# KiCad board 4servoboard-4x4.kicad_pcb (continued)
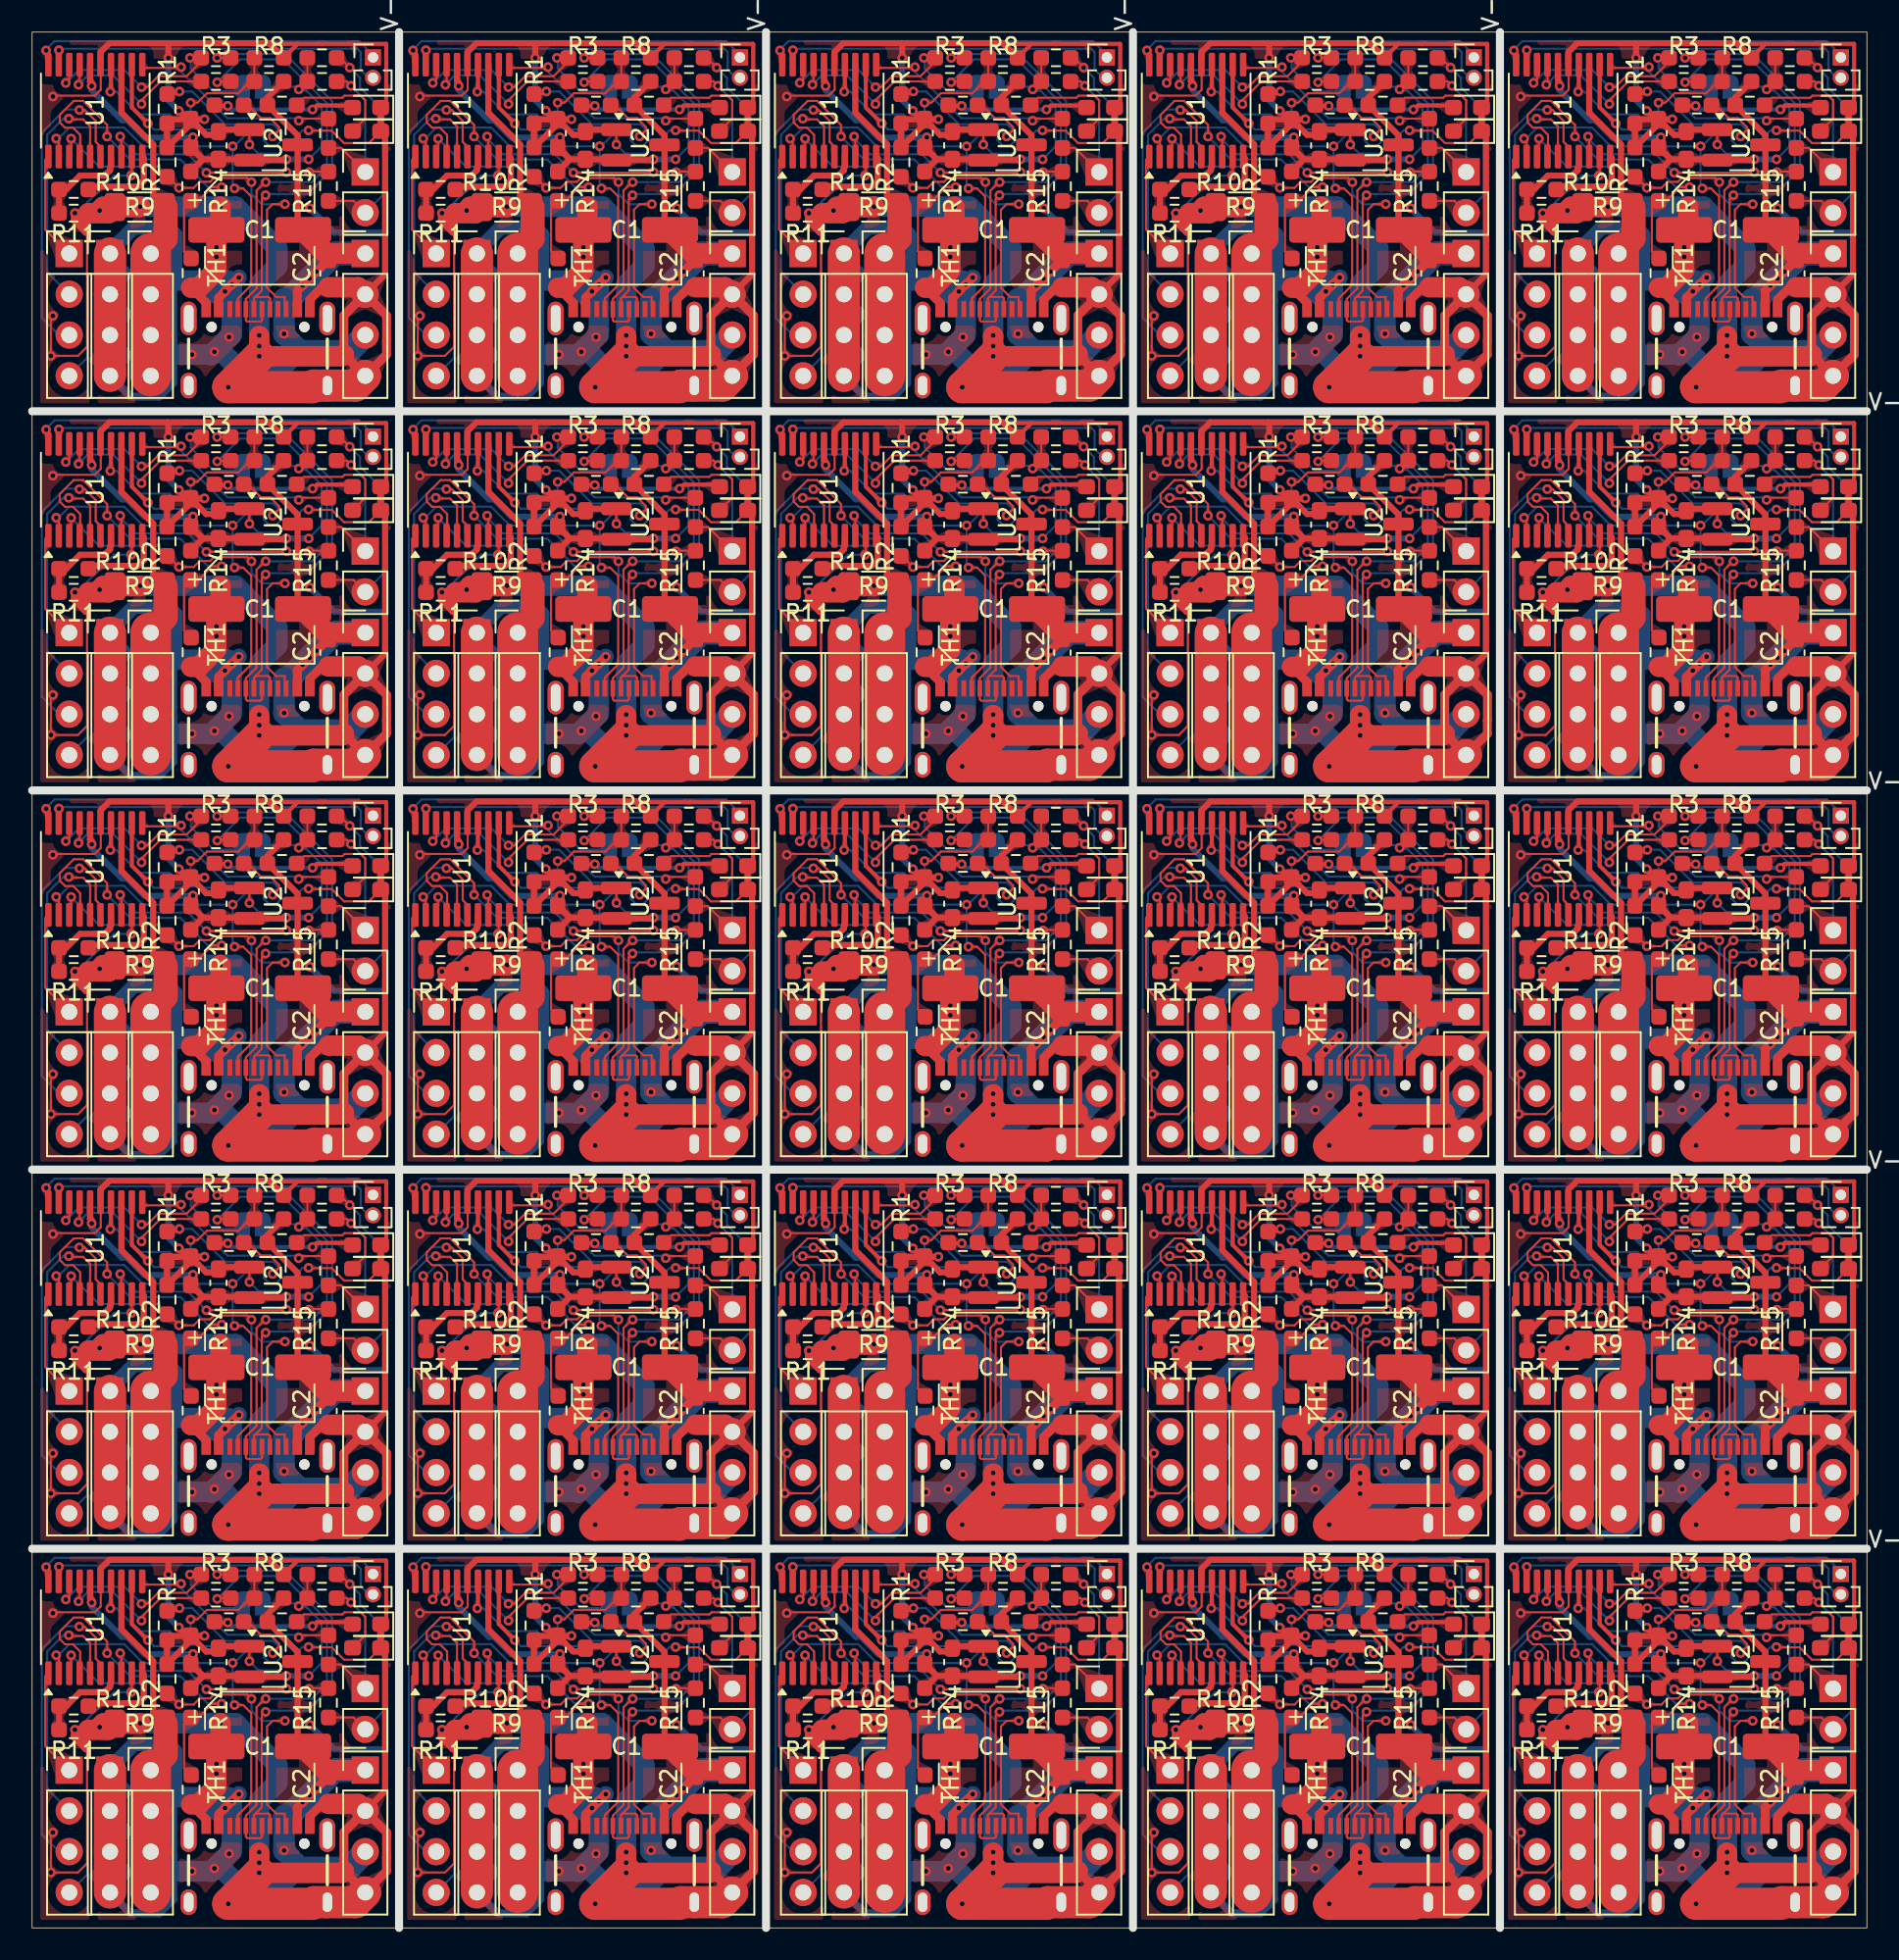
[diagram p0: board, top side]
## Routing (per net, layer and track width the routed paths; a pad name or vN(x,y) marks a point on that pad's centre or on a via; arc(x,y) is an arc through that point) (continued)
  Bottom w0.127: J7#9.1 89.81,69.44 88.96,70.3 69.98,70.3 69.45,69.77 v1(69.45,69.72) ; J7#24.1 66.95,22.2 66.1,23.06 47.12,23.06 46.59,22.53 v1(46.59,22.48) ; J7#2.1 21.23,93.07 20.38,93.92 1.4,93.92 0.87,93.4 v1(0.87,93.34) ; J7#25.1 66.95,93.07 66.1,93.92 47.12,93.92 46.59,93.4 v1(46.59,93.34) ; J7#16.1 89.81,22.2 88.96,23.06 69.98,23.06 69.45,22.53 v1(69.45,22.48) ; v1(0.87,69.72) 0.87,69.77 1.4,70.3 20.38,70.3 21.23,69.44 J7#21.1 ; J7#6.1 89.81,45.82 88.96,46.68 69.98,46.68 69.45,46.15 v1(69.45,46.1) ; v1(23.73,22.48) 23.73,22.53 24.26,23.06 43.24,23.06 44.09,22.2 J7#22.1 ; v1(69.45,116.97) 69.45,117.02 69.98,117.55 88.96,117.55 89.81,116.69 J7#18.1 ; v1(23.73,69.72) 23.73,69.77 24.26,70.3 43.24,70.3 44.09,69.44 J7#23.1 ; v1(0.87,116.97) 0.87,117.02 1.4,117.55 20.38,117.55 21.23,116.69 J7#20.1 ; v1(92.31,93.34) 92.31,93.4 92.84,93.92 111.82,93.92 112.67,93.07 J7#17.1 ; J7#5.1 21.23,45.82 20.38,46.68 1.4,46.68 0.87,46.15 v1(0.87,46.1) ; v1(23.73,116.97) 23.73,117.02 24.26,117.55 43.24,117.55 44.09,116.69 J7#4.1 ; v1(92.31,46.1) 92.31,46.15 92.84,46.68 111.82,46.68 112.67,45.82 J7#7.1 ; J7#14.1 44.09,45.82 43.24,46.68 24.26,46.68 23.73,46.15 v1(23.73,46.1) ; J7#19.1 66.95,45.82 66.1,46.68 47.12,46.68 46.59,46.15 v1(46.59,46.1) ; v1(46.59,116.97) 46.59,117.02 47.12,117.55 66.1,117.55 66.95,116.69 J7#13.1 ; v1(92.31,116.97) 92.31,117.02 92.84,117.55 111.82,117.55 112.67,116.69 J7.1 ; v1(92.31,69.72) 92.31,69.77 92.84,70.3 111.82,70.3 112.67,69.44 J7#3.1 ; v1(92.31,22.48) 92.31,22.53 92.84,23.06 111.82,23.06 112.67,22.2 J7#10.1 ; v1(46.59,69.72) 46.59,69.77 47.12,70.3 66.1,70.3 66.95,69.44 J7#12.1 ; J7#11.1 89.81,93.07 88.96,93.92 69.98,93.92 69.45,93.4 v1(69.45,93.34) ; v1(23.73,93.34) 23.73,93.4 24.26,93.92 43.24,93.92 44.09,93.07 J7#8.1 ; v1(0.87,22.48) 0.87,22.53 1.4,23.06 20.38,23.06 21.23,22.2 J7#15.1
SWDIO: length 547.4
  Top w0.127: U1#21.19 47.38,116.97 v1(47.39,116.98) ; U1#11.19 93.1,69.73 v1(93.11,69.74) ; U1#22.19 47.38,46.11 v1(47.39,46.12) ; U1#3.19 70.24,69.73 v1(70.25,69.74) ; v1(47.39,22.49) 47.38,22.48 U1#9.19 ; v1(47.39,93.36) 47.38,93.35 U1#10.19 ; v1(1.67,22.49) 1.66,22.48 U1#15.19 ; v1(24.53,46.12) 24.52,46.11 U1#23.19 ; U1#25.19 47.38,69.73 v1(47.39,69.74) ; U1#17.19 70.24,46.11 v1(70.25,46.12) ; U1#14.19 24.52,69.73 v1(24.53,69.74) ; v1(70.25,93.36) 70.24,93.35 U1#18.19 ; U1#24.19 24.52,116.97 v1(24.53,116.98) ; v1(70.25,22.49) 70.24,22.48 U1#2.19 ; U1#5.19 93.1,93.35 v1(93.11,93.36) ; U1#13.19 93.1,116.97 v1(93.11,116.98) ; v1(1.67,116.98) 1.66,116.97 U1#20.19 ; v1(70.25,116.98) 70.24,116.97 U1#16.19 ; v1(1.67,46.12) 1.66,46.11 U1#8.19 ; U1#12.19 93.1,46.11 v1(93.11,46.12) ; U1.19 24.52,93.35 v1(24.53,93.36) ; v1(24.53,22.49) 24.52,22.48 U1#19.19 ; v1(1.67,69.74) 1.66,69.73 U1#6.19 ; v1(93.11,22.49) 93.1,22.48 U1#4.19 ; v1(1.67,93.36) 1.66,93.35 U1#7.19
  Bottom w0.127: v1(1.67,69.74) 1.76,69.83 20.27,69.83 20.47,69.62 20.47,68.53 20.98,68.02 J7#21.2 ; J7#23.2 43.84,68.02 43.33,68.53 43.33,69.62 43.13,69.83 24.62,69.83 v1(24.53,69.74) ; v1(70.25,69.74) 70.34,69.83 88.85,69.83 89.05,69.62 89.05,68.53 89.56,68.02 J7#9.2 ; J7#25.2 66.7,91.64 66.19,92.15 66.19,93.25 65.99,93.45 47.48,93.45 v1(47.39,93.36) ; J7#13.2 66.7,115.27 66.19,115.77 66.19,116.87 65.99,117.07 47.48,117.07 v1(47.39,116.98) ; J7#11.2 89.56,91.64 89.05,92.15 89.05,93.25 88.85,93.45 70.34,93.45 v1(70.25,93.36) ; J7#5.2 20.98,44.4 20.47,44.9 20.47,46 20.27,46.2 1.76,46.2 v1(1.67,46.12) ; J7#7.2 112.42,44.4 111.91,44.9 111.91,46 111.71,46.2 93.2,46.2 v1(93.11,46.12) ; J7.2 112.42,115.27 111.91,115.77 111.91,116.87 111.71,117.07 93.2,117.07 v1(93.11,116.98) ; J7#6.2 89.56,44.4 89.05,44.9 89.05,46 88.85,46.2 70.34,46.2 v1(70.25,46.12) ; J7#15.2 20.98,20.78 20.47,21.28 20.47,22.38 20.27,22.58 1.76,22.58 v1(1.67,22.49) ; J7#2.2 20.98,91.64 20.47,92.15 20.47,93.25 20.27,93.45 1.76,93.45 v1(1.67,93.36) ; v1(24.53,46.12) 24.62,46.2 43.13,46.2 43.33,46 43.33,44.9 43.84,44.4 J7#14.2 ; v1(70.25,22.49) 70.34,22.58 88.85,22.58 89.05,22.38 89.05,21.28 89.56,20.78 J7#16.2 ; J7#10.2 112.42,20.78 111.91,21.28 111.91,22.38 111.71,22.58 93.2,22.58 v1(93.11,22.49) ; J7#20.2 20.98,115.27 20.47,115.77 20.47,116.87 20.27,117.07 1.76,117.07 v1(1.67,116.98) ; J7#19.2 66.7,44.4 66.19,44.9 66.19,46 65.99,46.2 47.48,46.2 v1(47.39,46.12) ; J7#22.2 43.84,20.78 43.33,21.28 43.33,22.38 43.13,22.58 24.62,22.58 v1(24.53,22.49) ; J7#4.2 43.84,115.27 43.33,115.77 43.33,116.87 43.13,117.07 24.62,117.07 v1(24.53,116.98) ; v1(47.39,22.49) 47.48,22.58 65.99,22.58 66.19,22.38 66.19,21.28 66.7,20.78 J7#24.2 ; J7#12.2 66.7,68.02 66.19,68.53 66.19,69.62 65.99,69.83 47.48,69.83 v1(47.39,69.74) ; v1(24.53,93.36) 24.62,93.45 43.13,93.45 43.33,93.25 43.33,92.15 43.84,91.64 J7#8.2 ; v1(93.11,93.36) 93.2,93.45 111.71,93.45 111.91,93.25 111.91,92.15 112.42,91.64 J7#17.2 ; J7#3.2 112.42,68.02 111.91,68.53 111.91,69.62 111.71,69.83 93.2,69.83 v1(93.11,69.74) ; v1(70.25,116.98) 70.34,117.07 88.85,117.07 89.05,116.87 89.05,115.77 89.56,115.27 J7#18.2
TX2: length 383.7
  Top w0.127: v1(17.25,85.76) 17.29,85.8 R15#17.2 ; v1(51.21,64.36) 51.21,64.18 51.28,64.11 U1#25.8 ; R15#8.2 17.29,38.56 v1(17.25,38.52) ; v1(5.49,64.36) 5.49,64.18 5.56,64.11 U1#6.8 ; v1(10.86,14.86) 15.81,14.86 v1(15.85,14.9) ; v1(51.21,111.6) 51.21,111.43 51.28,111.35 U1#21.8 ; v1(5.49,111.6) 5.49,111.43 5.56,111.35 U1#20.8 ; v1(74.07,87.98) 74.07,87.81 74.14,87.73 U1#18.8 ; R15#19.2 17.29,62.18 v1(17.25,62.14) ; R15#12.2 40.15,109.42 v1(40.11,109.38) ; v1(28.35,64.36) 28.35,64.18 28.42,64.11 U1#14.8 ; v1(28.35,17.11) 28.35,16.94 28.42,16.87 U1#19.8 ; v1(85.83,109.38) 85.87,109.42 R15.2 ; v1(5.49,87.98) 5.49,87.81 5.56,87.73 U1#7.8 ; v1(108.69,109.38) 108.73,109.42 R15#13.2 ; R15#25.2 108.73,38.56 v1(108.69,38.52) ; v1(108.69,62.14) 108.73,62.18 R15#3.2 ; R15#18.2 63.01,85.8 v1(62.97,85.76) ; v1(61.57,14.9) 61.53,14.86 v1(56.58,14.86) ; v1(79.44,62.11) 84.39,62.11 v1(84.43,62.14) ; v1(56.58,109.35) 61.53,109.35 v1(61.57,109.38) ; v1(38.71,38.52) 38.67,38.48 v1(33.72,38.48) ; v1(84.43,85.76) 84.39,85.73 v1(79.44,85.73) ; v1(108.69,14.9) 108.73,14.94 R15#16.2 ; U1#11.8 97,64.11 96.93,64.18 v1(96.93,64.36) ; v1(84.43,109.38) 84.39,109.35 v1(79.44,109.35) ; v1(96.93,87.98) 96.93,87.81 97,87.73 U1#5.8 ; v1(56.58,85.73) 61.53,85.73 v1(61.57,85.76) ; v1(107.29,62.14) 107.25,62.11 v1(102.3,62.11) ; v1(62.97,38.52) 63.01,38.56 R15#5.2 ; v1(40.11,85.76) 40.15,85.8 R15#9.2 ; v1(85.83,14.9) 85.87,14.94 R15#21.2 ; R15#6.2 40.15,38.56 v1(40.11,38.52) ; v1(38.71,85.76) 38.67,85.73 v1(33.72,85.73) ; R15#24.2 108.73,85.8 v1(108.69,85.76) ; U1#22.8 51.28,40.49 51.21,40.56 v1(51.21,40.74) ; v1(28.35,111.6) 28.35,111.43 28.42,111.35 U1#24.8 ; v1(51.21,17.11) 51.21,16.94 51.28,16.87 U1#9.8 ; v1(107.29,14.9) 107.25,14.86 v1(102.3,14.86) ; v1(56.58,38.48) 61.53,38.48 v1(61.57,38.52) ; v1(96.93,40.74) 96.93,40.56 97,40.49 U1#12.8 ; v1(51.21,87.98) 51.21,87.81 51.28,87.73 U1#10.8 ; U1#16.8 74.14,111.35 74.07,111.43 v1(74.07,111.6) ; R15#11.2 63.01,14.94 v1(62.97,14.9) ; U1#13.8 97,111.35 96.93,111.43 v1(96.93,111.6) ; v1(38.71,109.38) 38.67,109.35 v1(33.72,109.35) ; U1#17.8 74.14,40.49 74.07,40.56 v1(74.07,40.74) ; v1(79.44,14.86) 84.39,14.86 v1(84.43,14.9) ; v1(28.35,87.98) 28.35,87.81 28.42,87.73 U1.8 ; U1#23.8 28.42,40.49 28.35,40.56 v1(28.35,40.74) ; v1(10.86,85.73) 15.81,85.73 v1(15.85,85.76) ; v1(85.83,38.52) 85.87,38.56 R15#2.2 ; U1#15.8 5.56,16.87 5.49,16.94 v1(5.49,17.11) ; v1(102.3,85.73) 107.25,85.73 v1(107.29,85.76) ; R15#22.2 17.29,14.94 v1(17.25,14.9) ; R15#20.2 63.01,109.42 v1(62.97,109.38) ; v1(15.85,38.52) 15.81,38.48 v1(10.86,38.48) ; R15#15.2 40.15,14.94 v1(40.11,14.9) ; v1(107.29,38.52) 107.25,38.48 v1(102.3,38.48) ; v1(33.72,14.86) 38.67,14.86 v1(38.71,14.9) ; v1(107.29,109.38) 107.25,109.35 v1(102.3,109.35) ; v1(5.49,40.74) 5.49,40.56 5.56,40.49 U1#8.8 ; v1(84.43,38.52) 84.39,38.48 v1(79.44,38.48) ; v1(96.93,17.11) 96.93,16.94 97,16.87 U1#4.8 ; v1(56.58,62.11) 61.53,62.11 v1(61.57,62.14) ; U1#2.8 74.14,16.87 74.07,16.94 v1(74.07,17.11) ; v1(17.25,109.38) 17.29,109.42 R15#23.2 ; R15#7.2 85.87,62.18 v1(85.83,62.14) ; v1(85.83,85.76) 85.87,85.8 R15#4.2 ; R15#10.2 63.01,62.18 v1(62.97,62.14) ; v1(33.72,62.11) 38.67,62.11 v1(38.71,62.14) ; v1(40.11,62.14) 40.15,62.18 R15#14.2 ; v1(10.86,109.35) 15.81,109.35 v1(15.85,109.38) ; v1(10.86,62.11) 15.81,62.11 v1(15.85,62.14) ; U1#3.8 74.14,64.11 74.07,64.18 v1(74.07,64.36)
  Bottom w0.127: v1(56.58,109.35) 55.43,110.5 52.19,110.5 51.21,111.48 v1(51.21,111.6) ; v1(108.69,14.9) 108.63,14.96 107.35,14.96 v1(107.29,14.9) ; v1(84.43,14.9) 84.49,14.96 85.77,14.96 v1(85.83,14.9) ; v1(15.85,85.76) 15.91,85.83 17.19,85.83 v1(17.25,85.76) ; v1(51.21,17.11) 51.21,16.99 52.19,16.01 55.43,16.01 v1(56.58,14.86) ; v1(40.11,109.38) 40.05,109.45 38.77,109.45 v1(38.71,109.38) ; v1(108.69,38.52) 108.63,38.58 107.35,38.58 v1(107.29,38.52) ; v1(84.43,109.38) 84.49,109.45 85.77,109.45 v1(85.83,109.38) ; v1(108.69,109.38) 108.63,109.45 107.35,109.45 v1(107.29,109.38) ; v1(51.21,40.74) 51.21,40.61 52.19,39.63 55.43,39.63 v1(56.58,38.48) ; v1(102.3,38.48) 101.15,39.63 97.91,39.63 96.93,40.61 v1(96.93,40.74) ; v1(17.25,38.52) 17.19,38.58 15.91,38.58 v1(15.85,38.52) ; v1(51.21,64.36) 51.21,64.24 52.19,63.25 55.43,63.25 v1(56.58,62.11) ; v1(96.93,64.36) 96.93,64.24 97.91,63.25 101.15,63.25 v1(102.3,62.11) ; v1(84.43,62.14) 84.49,62.2 85.77,62.2 v1(85.83,62.14) ; v1(102.3,85.73) 101.15,86.88 97.91,86.88 96.93,87.86 v1(96.93,87.98) ; v1(62.97,38.52) 62.91,38.58 61.63,38.58 v1(61.57,38.52) ; v1(62.97,85.76) 62.91,85.83 61.63,85.83 v1(61.57,85.76) ; v1(108.69,85.76) 108.63,85.83 107.35,85.83 v1(107.29,85.76) ; v1(5.49,64.36) 5.49,64.24 6.47,63.25 9.71,63.25 v1(10.86,62.11) ; v1(74.07,40.74) 74.07,40.61 75.05,39.63 78.29,39.63 v1(79.44,38.48) ; v1(74.07,111.6) 74.07,111.48 75.05,110.5 78.29,110.5 v1(79.44,109.35) ; v1(5.49,17.11) 5.49,16.99 6.47,16.01 9.71,16.01 v1(10.86,14.86) ; v1(51.21,87.98) 51.21,87.86 52.19,86.88 55.43,86.88 v1(56.58,85.73) ; v1(28.35,87.98) 28.35,87.86 29.33,86.88 32.57,86.88 v1(33.72,85.73) ; v1(10.86,85.73) 9.71,86.88 6.47,86.88 5.49,87.86 v1(5.49,87.98) ; v1(85.83,38.52) 85.77,38.58 84.49,38.58 v1(84.43,38.52) ; v1(38.71,62.14) 38.77,62.2 40.05,62.2 v1(40.11,62.14) ; v1(38.71,85.76) 38.77,85.83 40.05,85.83 v1(40.11,85.76) ; v1(79.44,14.86) 78.29,16.01 75.05,16.01 74.07,16.99 v1(74.07,17.11) ; v1(74.07,64.36) 74.07,64.24 75.05,63.25 78.29,63.25 v1(79.44,62.11) ; v1(107.29,62.14) 107.35,62.2 108.63,62.2 v1(108.69,62.14) ; v1(10.86,109.35) 9.71,110.5 6.47,110.5 5.49,111.48 v1(5.49,111.6) ; v1(28.35,111.6) 28.35,111.48 29.33,110.5 32.57,110.5 v1(33.72,109.35) ; v1(15.85,109.38) 15.91,109.45 17.19,109.45 v1(17.25,109.38) ; v1(10.86,38.48) 9.71,39.63 6.47,39.63 5.49,40.61 v1(5.49,40.74) ; v1(38.71,38.52) 38.77,38.58 40.05,38.58 v1(40.11,38.52) ; v1(61.57,14.9) 61.63,14.96 62.91,14.96 v1(62.97,14.9) ; v1(61.57,62.14) 61.63,62.2 62.91,62.2 v1(62.97,62.14) ; v1(33.72,14.86) 32.57,16.01 29.33,16.01 28.35,16.99 v1(28.35,17.11) ; v1(17.25,14.9) 17.19,14.96 15.91,14.96 v1(15.85,14.9) ; v1(33.72,38.48) 32.57,39.63 29.33,39.63 28.35,40.61 v1(28.35,40.74) ; v1(15.85,62.14) 15.91,62.2 17.19,62.2 v1(17.25,62.14) ; v1(102.3,14.86) 101.15,16.01 97.91,16.01 96.93,16.99 v1(96.93,17.11) ; v1(79.44,85.73) 78.29,86.88 75.05,86.88 74.07,87.86 v1(74.07,87.98) ; v1(102.3,109.35) 101.15,110.5 97.91,110.5 96.93,111.48 v1(96.93,111.6) ; v1(61.57,109.38) 61.63,109.45 62.91,109.45 v1(62.97,109.38) ; v1(38.71,14.9) 38.77,14.96 40.05,14.96 v1(40.11,14.9) ; v1(85.83,85.76) 85.77,85.83 84.49,85.83 v1(84.43,85.76) ; v1(28.35,64.36) 28.35,64.24 29.33,63.25 32.57,63.25 v1(33.72,62.11)
TX4: length 337.9
  Top w0.127: U1#4.11 98.5,21.39 100.67,21.39 v1(100.72,21.44) ; v1(55,92.31) 54.95,92.26 52.78,92.26 U1#10.11 ; U1.11 29.92,92.26 32.09,92.26 v1(32.14,92.31) ; v1(77.86,68.68) 77.81,68.64 75.64,68.64 U1#3.11 ; R16#24.2 108.18,112.72 v1(108.05,112.59) 108.18,112.73 ; U1#24.11 29.92,115.88 32.09,115.88 v1(32.14,115.93) ; 62.46,112.73 v1(62.33,112.59) 62.46,112.72 R16#14.2 ; R16#3.2 85.32,18.23 v1(85.19,18.1) 85.32,18.24 ; U1#12.11 98.5,45.01 100.67,45.01 v1(100.72,45.06) ; U1#20.11 7.06,115.88 9.23,115.88 v1(9.28,115.93) ; U1#23.11 29.92,45.01 32.09,45.01 v1(32.14,45.06) ; U1#5.11 98.5,92.26 100.67,92.26 v1(100.72,92.31) ; 39.6,65.48 v1(39.47,65.34) 39.6,65.48 R16#12.2 ; v1(77.86,92.31) 77.81,92.26 75.64,92.26 U1#18.11 ; R16#7.2 108.18,18.23 v1(108.05,18.1) 108.18,18.24 ; U1#9.11 52.78,21.39 54.95,21.39 v1(55,21.44) ; 39.6,41.86 v1(39.47,41.72) 39.6,41.86 R16#9.2 ; v1(77.86,115.93) 77.81,115.88 75.64,115.88 U1#16.11 ; U1#25.11 52.78,68.64 54.95,68.64 v1(55,68.68) ; 62.46,65.48 v1(62.33,65.34) 62.46,65.48 R16#15.2 ; R16#19.2 62.46,18.23 v1(62.33,18.1) 62.46,18.24 ; v1(32.14,68.68) 32.09,68.64 29.92,68.64 U1#14.11 ; R16#11.2 16.74,89.1 v1(16.61,88.97) 16.74,89.1 ; v1(55,115.93) 54.95,115.88 52.78,115.88 U1#21.11 ; R16#13.2 108.18,41.86 v1(108.05,41.72) 108.18,41.86 ; R16#18.2 39.6,18.23 v1(39.47,18.1) 39.6,18.24 ; 85.32,41.86 v1(85.19,41.72) 85.32,41.86 R16#17.2 ; 16.74,65.48 v1(16.61,65.34) 16.74,65.48 R16#5.2 ; 16.74,112.73 v1(16.61,112.59) 16.74,112.72 R16#8.2 ; U1#15.11 7.06,21.39 9.23,21.39 v1(9.28,21.44) ; U1#17.11 75.64,45.01 77.81,45.01 v1(77.86,45.06) ; R16#20.2 85.32,65.48 v1(85.19,65.34) 85.32,65.48 ; R16#16.2 108.18,89.1 v1(108.05,88.97) 108.18,89.1 ; R16.2 85.32,89.1 v1(85.19,88.97) 85.32,89.1 ; v1(9.28,68.68) 9.23,68.64 7.06,68.64 U1#6.11 ; U1#7.11 7.06,92.26 9.23,92.26 v1(9.28,92.31) ; R16#21.2 62.46,89.1 v1(62.33,88.97) 62.46,89.1 ; v1(100.72,115.93) 100.67,115.88 98.5,115.88 U1#13.11 ; 85.32,112.73 v1(85.19,112.59) 85.32,112.72 R16#2.2 ; R16#10.2 39.6,112.72 v1(39.47,112.59) 39.6,112.73 ; v1(32.14,21.44) 32.09,21.39 29.92,21.39 U1#19.11 ; 108.18,65.48 v1(108.05,65.34) 108.18,65.48 R16#22.2 ; R16#4.2 16.74,41.86 v1(16.61,41.72) 16.74,41.86 ; 62.46,41.86 v1(62.33,41.72) 62.46,41.86 R16#25.2 ; U1#22.11 52.78,45.01 54.95,45.01 v1(55,45.06) ; 39.6,89.1 v1(39.47,88.97) 39.6,89.1 R16#23.2 ; U1#2.11 75.64,21.39 77.81,21.39 v1(77.86,21.44) ; 16.74,18.24 v1(16.61,18.1) 16.74,18.23 R16#6.2 ; v1(9.28,45.06) 9.23,45.01 7.06,45.01 U1#8.11 ; v1(100.72,68.68) 100.67,68.64 98.5,68.64 U1#11.11
  Bottom w0.127: v1(77.86,21.44) 77.86,21.15 80.21,18.8 80.21,18.79 80.54,18.46 80.55,18.46 80.75,18.26 85.03,18.26 v1(85.19,18.1) ; v1(39.47,41.72) 39.31,41.88 35.03,41.88 34.83,42.08 34.82,42.08 34.49,42.41 34.49,42.42 32.14,44.77 v1(32.14,45.06) ; v1(9.28,92.31) 9.28,92.02 11.63,89.67 11.63,89.66 11.96,89.33 11.97,89.33 12.17,89.12 16.45,89.12 v1(16.61,88.97) ; v1(55,92.31) 55,92.02 57.35,89.67 57.35,89.66 57.68,89.33 57.69,89.33 57.89,89.12 62.17,89.12 v1(62.33,88.97) ; v1(77.86,68.68) 77.86,68.39 80.21,66.05 80.21,66.03 80.54,65.7 80.55,65.7 80.75,65.5 85.03,65.5 v1(85.19,65.34) ; v1(16.61,18.1) 16.45,18.26 12.17,18.26 11.97,18.46 11.96,18.46 11.63,18.79 11.63,18.8 9.28,21.15 v1(9.28,21.44) ; v1(77.86,45.06) 77.86,44.77 80.21,42.42 80.21,42.41 80.54,42.08 80.55,42.08 80.75,41.88 85.03,41.88 v1(85.19,41.72) ; v1(100.72,92.31) 100.72,92.02 103.07,89.67 103.07,89.66 103.4,89.33 103.41,89.33 103.61,89.12 107.89,89.12 v1(108.05,88.97) ; v1(16.61,65.34) 16.45,65.5 12.17,65.5 11.97,65.7 11.96,65.7 11.63,66.03 11.63,66.05 9.28,68.39 v1(9.28,68.68) ; v1(108.05,65.34) 107.89,65.5 103.61,65.5 103.41,65.7 103.4,65.7 103.07,66.03 103.07,66.05 100.72,68.39 v1(100.72,68.68) ; v1(16.61,41.72) 16.45,41.88 12.17,41.88 11.97,42.08 11.96,42.08 11.63,42.41 11.63,42.42 9.28,44.77 v1(9.28,45.06) ; v1(55,115.93) 55,115.64 57.35,113.29 57.35,113.28 57.68,112.95 57.69,112.95 57.89,112.75 62.17,112.75 v1(62.33,112.59) ; v1(62.33,18.1) 62.17,18.26 57.89,18.26 57.69,18.46 57.68,18.46 57.35,18.79 57.35,18.8 55,21.15 v1(55,21.44) ; v1(108.05,18.1) 107.89,18.26 103.61,18.26 103.41,18.46 103.4,18.46 103.07,18.79 103.07,18.8 100.72,21.15 v1(100.72,21.44) ; v1(108.05,41.72) 107.89,41.88 103.61,41.88 103.41,42.08 103.4,42.08 103.07,42.41 103.07,42.42 100.72,44.77 v1(100.72,45.06) ; v1(85.19,88.97) 85.03,89.12 80.75,89.12 80.55,89.33 80.54,89.33 80.21,89.66 80.21,89.67 77.86,92.02 v1(77.86,92.31) ; v1(32.14,68.68) 32.14,68.39 34.49,66.05 34.49,66.03 34.82,65.7 34.83,65.7 35.03,65.5 39.31,65.5 v1(39.47,65.34) ; v1(55,68.68) 55,68.39 57.35,66.05 57.35,66.03 57.68,65.7 57.69,65.7 57.89,65.5 62.17,65.5 v1(62.33,65.34) ; v1(32.14,92.31) 32.14,92.02 34.49,89.67 34.49,89.66 34.82,89.33 34.83,89.33 35.03,89.12 39.31,89.12 v1(39.47,88.97) ; v1(39.47,18.1) 39.31,18.26 35.03,18.26 34.83,18.46 34.82,18.46 34.49,18.79 34.49,18.8 32.14,21.15 v1(32.14,21.44) ; v1(55,45.06) 55,44.77 57.35,42.42 57.35,42.41 57.68,42.08 57.69,42.08 57.89,41.88 62.17,41.88 v1(62.33,41.72) ; v1(16.61,112.59) 16.45,112.75 12.17,112.75 11.97,112.95 11.96,112.95 11.63,113.28 11.63,113.29 9.28,115.64 v1(9.28,115.93) ; v1(108.05,112.59) 107.89,112.75 103.61,112.75 103.41,112.95 103.4,112.95 103.07,113.28 103.07,113.29 100.72,115.64 v1(100.72,115.93) ; v1(32.14,115.93) 32.14,115.64 34.49,113.29 34.49,113.28 34.82,112.95 34.83,112.95 35.03,112.75 39.31,112.75 v1(39.47,112.59) ; v1(77.86,115.93) 77.86,115.64 80.21,113.29 80.21,113.28 80.54,112.95 80.55,112.95 80.75,112.75 85.03,112.75 v1(85.19,112.59)
Net-(D1-A): length 172.2
  Top w0.127: D1#22.2 43.61,18.24 43.61,18.47 43.61,18.47 43.61,19.38 43.33,19.66 42.32,19.66 42.19,19.53 39.8,19.53 R5#17.1 ; R5#4.1 62.66,43.15 65.05,43.15 65.18,43.28 66.19,43.28 66.47,43 66.47,42.09 66.47,42.09 66.47,41.86 D1#11.2 ; R5#2.1 108.38,43.15 110.77,43.15 110.9,43.28 111.91,43.28 112.19,43 112.19,42.09 112.19,42.09 112.19,41.86 D1#16.2 ; R5#13.1 62.66,114.02 65.05,114.02 65.18,114.15 66.19,114.15 66.47,113.86 66.47,112.96 66.47,112.96 66.47,112.73 D1#18.2 ; D1#3.2 20.75,41.86 20.75,42.09 20.75,42.09 20.75,43 20.47,43.28 19.46,43.28 19.33,43.15 16.94,43.15 R5#14.1 ; R5#18.1 39.8,90.4 42.19,90.4 42.32,90.53 43.33,90.53 43.61,90.24 43.61,89.34 43.61,89.33 43.61,89.1 D1#14.2 ; D1#10.2 66.47,65.48 66.47,65.71 66.47,65.71 66.47,66.62 66.19,66.91 65.18,66.91 65.05,66.78 62.66,66.78 R5#15.1 ; D1#6.2 89.33,65.48 89.33,65.71 89.33,65.71 89.33,66.62 89.05,66.91 88.04,66.91 87.91,66.78 85.52,66.78 R5#6.1 ; D1#19.2 43.61,112.73 43.61,112.96 43.61,112.96 43.61,113.86 43.33,114.15 42.32,114.15 42.19,114.02 39.8,114.02 R5#25.1 ; R5#20.1 108.38,19.53 110.77,19.53 110.9,19.66 111.91,19.66 112.19,19.38 112.19,18.47 112.19,18.47 112.19,18.24 D1#20.2 ; R5#22.1 16.94,90.4 19.33,90.4 19.46,90.53 20.47,90.53 20.75,90.24 20.75,89.34 20.75,89.33 20.75,89.1 D1#25.2 ; D1.2 89.33,89.1 89.33,89.33 89.33,89.34 89.33,90.24 89.05,90.53 88.04,90.53 87.91,90.4 85.52,90.4 R5#19.1 ; R5.1 85.52,19.53 87.91,19.53 88.04,19.66 89.05,19.66 89.33,19.38 89.33,18.47 89.33,18.47 89.33,18.24 D1#8.2 ; R5#5.1 85.52,43.15 87.91,43.15 88.04,43.28 89.05,43.28 89.33,43 89.33,42.09 89.33,42.09 89.33,41.86 D1#15.2 ; D1#5.2 20.75,18.24 20.75,18.47 20.75,18.47 20.75,19.38 20.47,19.66 19.46,19.66 19.33,19.53 16.94,19.53 R5#7.1 ; D1#4.2 112.19,89.1 112.19,89.33 112.19,89.34 112.19,90.24 111.91,90.53 110.9,90.53 110.77,90.4 108.38,90.4 R5#8.1 ; R5#23.1 62.66,19.53 65.05,19.53 65.18,19.66 66.19,19.66 66.47,19.38 66.47,18.47 66.47,18.47 66.47,18.24 D1#13.2 ; D1#21.2 20.75,65.48 20.75,65.71 20.75,65.71 20.75,66.62 20.47,66.91 19.46,66.91 19.33,66.78 16.94,66.78 R5#21.1 ; R5#11.1 16.94,114.02 19.33,114.02 19.46,114.15 20.47,114.15 20.75,113.86 20.75,112.96 20.75,112.96 20.75,112.73 D1#23.2 ; D1#7.2 43.61,65.48 43.61,65.71 43.61,65.71 43.61,66.62 43.33,66.91 42.32,66.91 42.19,66.78 39.8,66.78 R5#24.1 ; D1#12.2 89.33,112.73 89.33,112.96 89.33,112.96 89.33,113.86 89.05,114.15 88.04,114.15 87.91,114.02 85.52,114.02 R5#10.1 ; R5#9.1 108.38,114.02 110.77,114.02 110.9,114.15 111.91,114.15 112.19,113.86 112.19,112.96 112.19,112.96 112.19,112.73 D1#2.2 ; D1#24.2 43.61,41.86 43.61,42.09 43.61,42.09 43.61,43 43.33,43.28 42.32,43.28 42.19,43.15 39.8,43.15 R5#12.1 ; D1#17.2 112.19,65.48 112.19,65.71 112.19,65.71 112.19,66.62 111.91,66.91 110.9,66.91 110.77,66.78 108.38,66.78 R5#16.1 ; R5#3.1 62.66,90.4 65.05,90.4 65.18,90.53 66.19,90.53 66.47,90.24 66.47,89.34 66.47,89.33 66.47,89.1 D1#9.2
Net-(D2-A): length 222.2
  Top w0.254: D2#13.2 65.56,19.05 64.67,19.05 64.66,19.05 63.71,19.05 63.7,19.05 63.46,19.05 63.21,18.8 v1(63.19,18.8) ; v1(35.05,19.02) 34.26,19.02 R6#22.1 ; v1(80.77,66.27) 79.98,66.27 R6#8.1 ; v1(108.91,42.42) 108.93,42.42 109.18,42.67 109.42,42.67 109.43,42.67 110.38,42.67 110.39,42.67 111.28,42.67 D2#11.2 ; v1(35.05,113.51) 34.26,113.51 R6#2.1 ; v1(108.91,66.04) 108.93,66.04 109.18,66.29 109.42,66.29 109.43,66.3 110.38,66.3 110.39,66.29 111.28,66.29 D2#8.2 ; D2.2 42.7,42.67 41.81,42.67 41.8,42.67 40.85,42.67 40.84,42.67 40.6,42.67 40.35,42.42 v1(40.33,42.42) ; v1(103.63,113.51) 102.84,113.51 R6.1 ; R6#23.1 102.84,42.65 v1(103.63,42.65) ; v1(86.05,18.8) 86.07,18.8 86.32,19.05 86.56,19.05 86.57,19.05 87.52,19.05 87.53,19.05 88.42,19.05 D2#21.2 ; v1(40.33,89.67) 40.35,89.67 40.6,89.92 40.84,89.92 40.85,89.92 41.8,89.92 41.81,89.92 42.7,89.92 D2#6.2 ; v1(63.19,113.29) 63.21,113.29 63.46,113.54 63.7,113.54 63.71,113.54 64.66,113.54 64.67,113.54 65.56,113.54 D2#5.2 ; v1(17.47,18.8) 17.49,18.8 17.74,19.05 17.98,19.05 17.99,19.05 18.94,19.05 18.95,19.05 19.84,19.05 D2#25.2 ; R6#4.1 11.4,113.51 v1(12.19,113.51) ; v1(57.91,42.65) 57.12,42.65 R6#12.1 ; D2#23.2 42.7,19.05 41.81,19.05 41.8,19.05 40.85,19.05 40.84,19.05 40.6,19.05 40.35,18.8 v1(40.33,18.8) ; v1(103.63,66.27) 102.84,66.27 R6#5.1 ; v1(80.77,19.02) 79.98,19.02 R6#13.1 ; R6#3.1 11.4,19.02 v1(12.19,19.02) ; v1(63.19,89.67) 63.21,89.67 63.46,89.92 63.7,89.92 63.71,89.92 64.66,89.92 64.67,89.92 65.56,89.92 D2#19.2 ; R6#20.1 79.98,42.65 v1(80.77,42.65) ; R6#25.1 57.12,113.51 v1(57.91,113.51) ; v1(86.05,66.04) 86.07,66.04 86.32,66.29 86.56,66.29 86.57,66.3 87.52,66.3 87.53,66.29 88.42,66.29 D2#2.2 ; R6#9.1 34.26,42.65 v1(35.05,42.65) ; v1(86.05,113.29) 86.07,113.29 86.32,113.54 86.56,113.54 86.57,113.54 87.52,113.54 87.53,113.54 88.42,113.54 D2#10.2 ; R6#6.1 57.12,19.02 v1(57.91,19.02) ; D2#15.2 19.84,113.54 18.95,113.54 18.94,113.54 17.99,113.54 17.98,113.54 17.74,113.54 17.49,113.29 v1(17.47,113.29) ; D2#18.2 65.56,42.67 64.67,42.67 64.66,42.67 63.71,42.67 63.7,42.67 63.46,42.67 63.21,42.42 v1(63.19,42.42) ; R6#11.1 102.84,19.02 v1(103.63,19.02) ; v1(12.19,89.89) 11.4,89.89 R6#19.1 ; D2#7.2 111.28,89.92 110.39,89.92 110.38,89.92 109.43,89.92 109.42,89.92 109.18,89.92 108.93,89.67 v1(108.91,89.67) ; v1(80.77,113.51) 79.98,113.51 R6#14.1 ; R6#24.1 34.26,66.27 v1(35.05,66.27) ; v1(12.19,42.65) 11.4,42.65 R6#15.1 ; v1(40.33,113.29) 40.35,113.29 40.6,113.54 40.84,113.54 40.85,113.54 41.8,113.54 41.81,113.54 42.7,113.54 D2#16.2 ; v1(86.05,89.67) 86.07,89.67 86.32,89.92 86.56,89.92 86.57,89.92 87.52,89.92 87.53,89.92 88.42,89.92 D2#24.2 ; D2#17.2 42.7,66.29 41.81,66.29 41.8,66.3 40.85,66.3 40.84,66.29 40.6,66.29 40.35,66.04 v1(40.33,66.04) ; v1(17.47,89.67) 17.49,89.67 17.74,89.92 17.98,89.92 17.99,89.92 18.94,89.92 18.95,89.92 19.84,89.92 D2#4.2 ; v1(80.77,89.89) 79.98,89.89 R6#7.1 ; D2#9.2 19.84,66.29 18.95,66.29 18.94,66.3 17.99,66.3 17.98,66.29 17.74,66.29 17.49,66.04 v1(17.47,66.04) ; D2#12.2 88.42,42.67 87.53,42.67 87.52,42.67 86.57,42.67 86.56,42.67 86.32,42.67 86.07,42.42 v1(86.05,42.42) ; v1(63.19,66.04) 63.21,66.04 63.46,66.29 63.7,66.29 63.71,66.3 64.66,66.3 64.67,66.29 65.56,66.29 D2#3.2 ; v1(108.91,18.8) 108.93,18.8 109.18,19.05 109.42,19.05 109.43,19.05 110.38,19.05 110.39,19.05 111.28,19.05 D2#22.2 ; R6#21.1 57.12,89.89 v1(57.91,89.89) ; v1(108.91,113.29) 108.93,113.29 109.18,113.54 109.42,113.54 109.43,113.54 110.38,113.54 110.39,113.54 111.28,113.54 D2#20.2 ; v1(35.05,89.89) 34.26,89.89 R6#18.1 ; v1(17.47,42.42) 17.49,42.42 17.74,42.67 17.98,42.67 17.99,42.67 18.94,42.67 18.95,42.67 19.84,42.67 D2#14.2 ; v1(12.19,66.27) 11.4,66.27 R6#16.1 ; R6#17.1 57.12,66.27 v1(57.91,66.27) ; v1(103.63,89.89) 102.84,89.89 R6#10.1
  Bottom w0.254: v1(103.63,89.89) 103.86,89.66 108.9,89.66 v1(108.91,89.67) ; v1(40.33,113.29) 40.32,113.28 35.28,113.28 v1(35.05,113.51) ; v1(12.19,113.51) 12.42,113.28 17.46,113.28 v1(17.47,113.29) ; v1(35.05,89.89) 35.28,89.66 40.32,89.66 v1(40.33,89.67) ; v1(80.77,19.02) 81,18.8 86.04,18.8 v1(86.05,18.8) ; v1(63.19,113.29) 63.18,113.28 58.14,113.28 v1(57.91,113.51) ; v1(12.19,89.89) 12.42,89.66 17.46,89.66 v1(17.47,89.67) ; v1(63.19,42.42) 63.18,42.42 58.14,42.42 v1(57.91,42.65) ; v1(108.91,42.42) 108.9,42.42 103.86,42.42 v1(103.63,42.65) ; v1(63.19,18.8) 63.18,18.8 58.14,18.8 v1(57.91,19.02) ; v1(35.05,66.27) 35.28,66.04 40.32,66.04 v1(40.33,66.04) ; v1(63.19,89.67) 63.18,89.66 58.14,89.66 v1(57.91,89.89) ; v1(57.91,66.27) 58.14,66.04 63.18,66.04 v1(63.19,66.04) ; v1(108.91,113.29) 108.9,113.28 103.86,113.28 v1(103.63,113.51) ; v1(103.63,66.27) 103.86,66.04 108.9,66.04 v1(108.91,66.04) ; v1(80.77,66.27) 81,66.04 86.04,66.04 v1(86.05,66.04) ; v1(103.63,19.02) 103.86,18.8 108.9,18.8 v1(108.91,18.8) ; v1(40.33,18.8) 40.32,18.8 35.28,18.8 v1(35.05,19.02) ; v1(80.77,42.65) 81,42.42 86.04,42.42 v1(86.05,42.42) ; v1(86.05,89.67) 86.04,89.66 81,89.66 v1(80.77,89.89) ; v1(17.47,18.8) 17.46,18.8 12.42,18.8 v1(12.19,19.02) ; v1(12.19,66.27) 12.42,66.04 17.46,66.04 v1(17.47,66.04) ; v1(80.77,113.51) 81,113.28 86.04,113.28 v1(86.05,113.29) ; v1(17.47,42.42) 17.46,42.42 12.42,42.42 v1(12.19,42.65) ; v1(35.05,42.65) 35.28,42.42 40.32,42.42 v1(40.33,42.42)
